# Altium PCB ovo.pcbdoc (part 3 of 3)
Units mil, origin at the board's own origin, x right, y up, seen from the top; angles counter-clockwise.
Board outline 8690 x 8044.71 mil, 6 copper layers (Top Layer, Inner1, Inner2, Inner3, 内层4, Bottom Layer); 83 components, 122 nets, 754 pads, 365 vias.
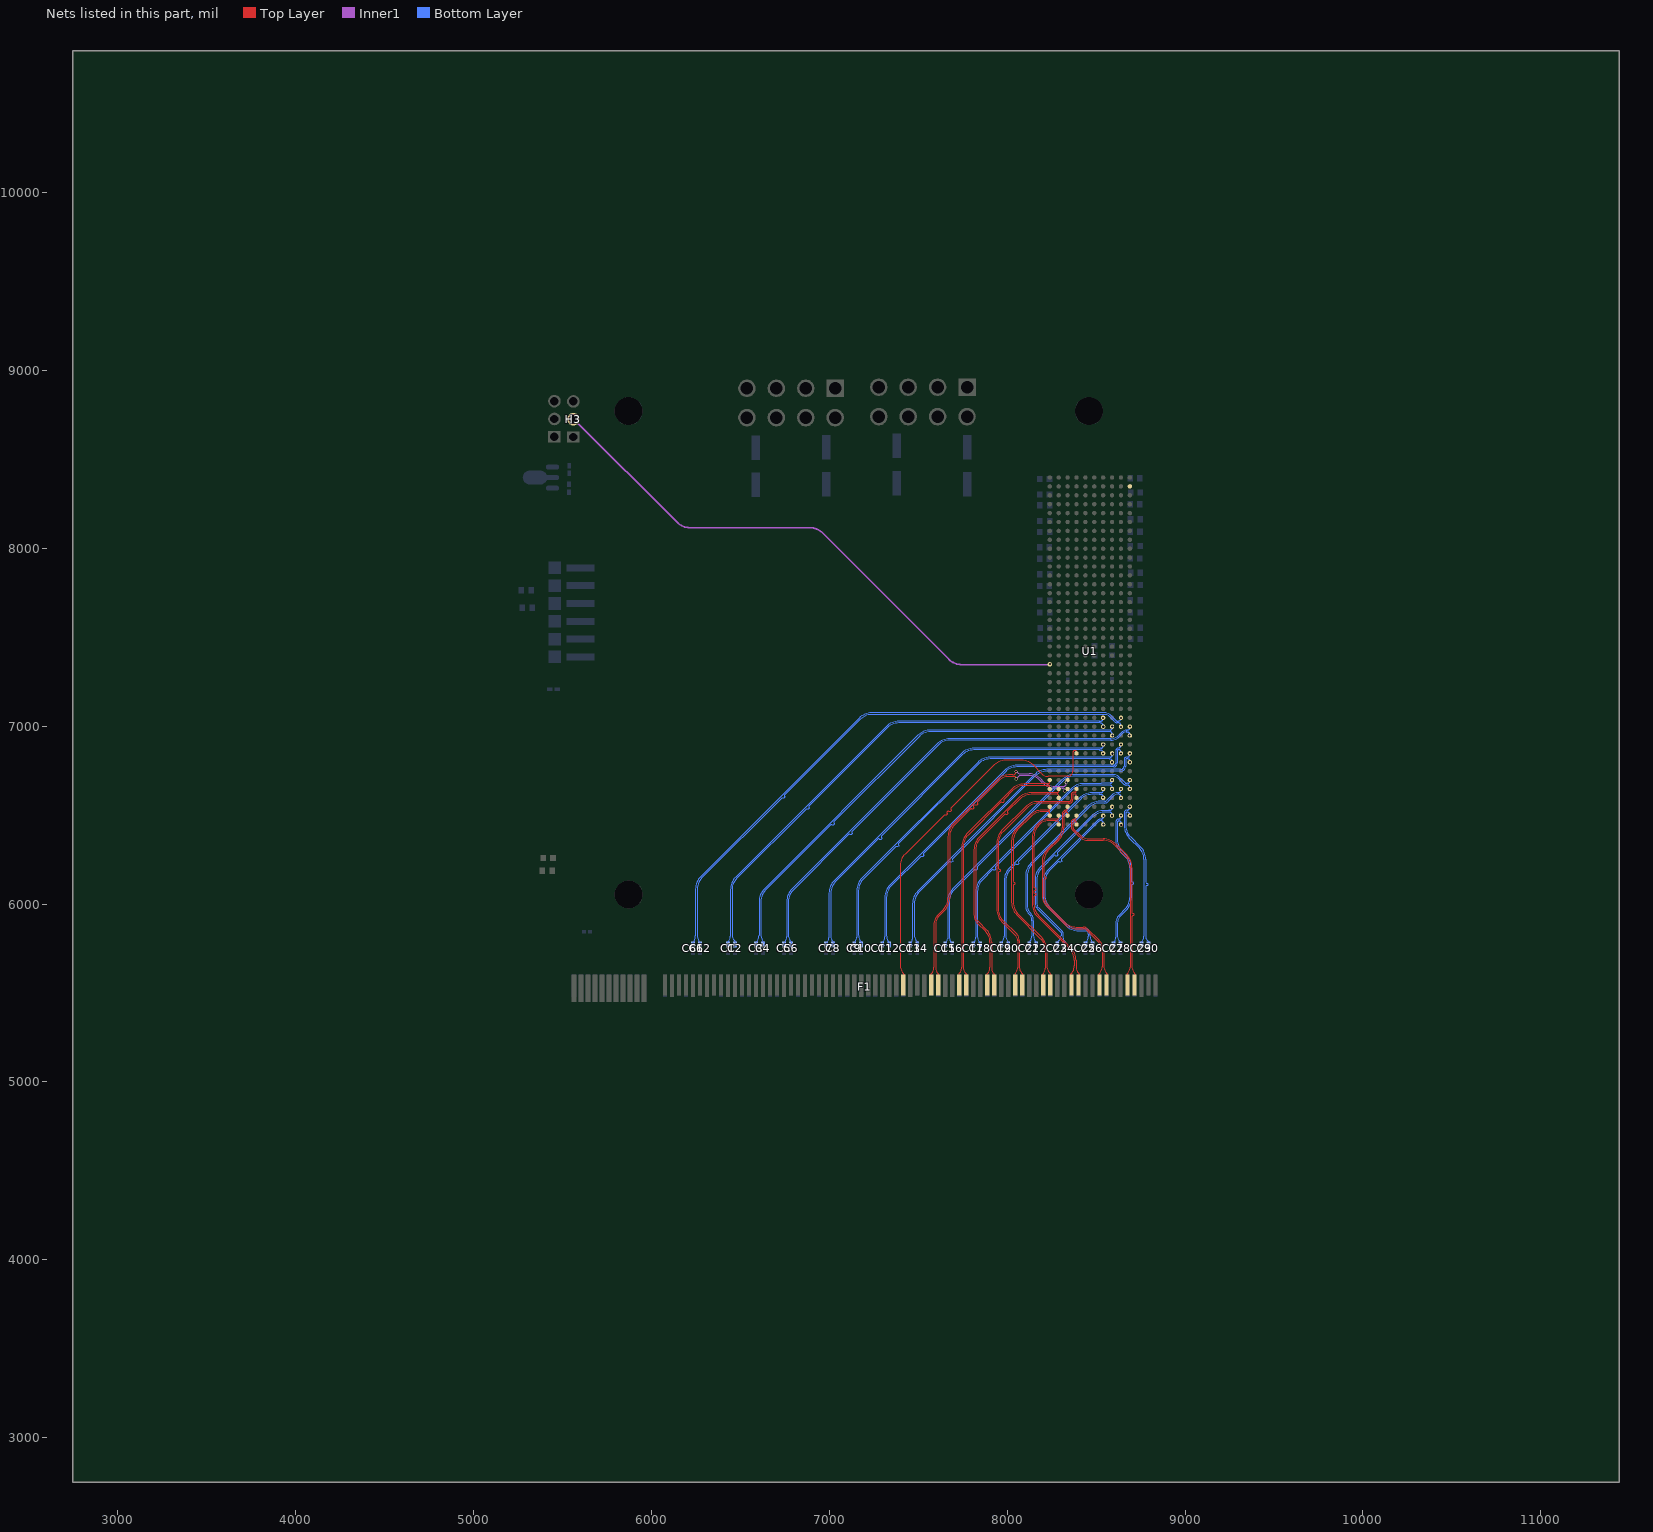
[diagram p6: the nets of this part, all layers, seen from the top]

## Via types
v1: diameter 17.7, hole 11.8, Top Layer to Bottom Layer, 365 vias

## Nets (pads, with @x,y where several pads share a name; then routed paths per layer and width w, separated by ;. In a path a pad name is that pad's centre, name@x,y a point inside that pad or via, vN(x,y) a via of type N, cw(c..) or ccw(c..) an arc to the next point about the centre after c; other vN are vias at no path point) (continued)
RX7-: F1.B46 U1.D9 | length 2067.4
  Top Layer w5.2: F1.B46@7421.26,5598.24 7421.26,5601.23 ccw(c7407.27,5601.23) 7417.16,5611.12 cw(c7457.04,5651) 7400.65,5651 7400.65,6216.87 cw(c7491.45,6216.87) 7427.24,6281.08 7646.18,6500.01 7651.38,6500.01 7653.25,6498.14 7658.45,6498.14 7663.85,6503.55 7663.85,6508.75 7661.98,6510.62 7661.98,6515.82 7667.39,6521.22 7672.59,6521.22 7674.46,6519.35 7679.66,6519.35 7685.07,6524.76 7685.07,6529.96 7683.2,6531.83 7683.2,6537.03 7927.66,6781.5 cw(c7991.87,6717.29) 7991.87,6808.09 8081.82,6808.09 cw(c8081.82,6717.29) 8146.03,6781.5 8195.68,6731.85 ccw(c8230.97,6767.14) 8230.97,6717.23 8340.39,6717.23 ccw(c8340.39,6746.68) 8369.85,6746.68 8369.85,6768.36 cw(c8370.15,6768.36) 8369.94,6768.58 ccw(c8369.72,6768.8) 8370.02,6768.8 8370.02,6852.41 cw(c8379.61,6852.41) 8379.61,6862 cw(c8382.32,6854.72) 8390.08,6854.72 U1.D9@8390.08,6846.73
RX8+: F1.B50 U1.C6 | length 1704.7
  Top Layer w5.2: F1.B50@7569.34,5595.32 7569.34,5598.2 cw(c7579.33,5598.2) 7572.26,5605.27 ccw(c7532.09,5645.44) 7588.9,5645.44 7588.9,5883.06 cw(c7670.05,5883.06) 7612.67,5940.44 7641.32,5969.09 ccw(c7577.12,6033.3) 7667.92,6033.3 7667.92,6379.32 cw(c7767.92,6379.32) 7697.21,6450.03 7946.95,6699.78 cw(c8008.83,6637.9) 8008.83,6725.41 8009.56,6725.41 ccw(c8009.56,6725.97) 8009.95,6725.57 cw(c8010.34,6725.18) 8010.34,6725.74 8032.4,6725.74 ccw(c8032.4,6743.5) 8044.96,6730.94 8045.46,6731.44 ccw(c8031.6,6745.3) v1(8051.21,6745.3) ; v1@8333.82,6684.47 8335.84,6686.49 ccw(c8325.6,6696.73) U1.C6@8340.08,6696.73
  Inner1 w5.2: v1(8051.21,6745.3) 8054.34,6742.17 ccw(c8080.69,6768.52) 8080.69,6731.26 8126.08,6731.26 cw(c8126.08,6647.68) 8185.18,6706.78 8204.18,6687.78 ccw(c8268.39,6751.98) 8268.39,6661.18 8312.06,6661.18 ccw(c8312.06,6662.47) 8312.97,6661.56 cw(c8313.89,6660.65) 8313.89,6661.94 8318.55,6661.94 ccw(c8318.55,6676.42) 8333.04,6676.42 v1(8333.04,6682.13)
RX8-: F1.B51 U1.C5 | length 1704.4
  Top Layer w5.2: F1.B51@7617.91,5592.98 7617.91,5594.89 ccw(c7599.93,5594.89) 7612.65,5607.61 cw(c7647.76,5642.72) 7598.1,5642.72 7598.1,5883.06 cw(c7670.05,5883.06) 7619.18,5933.93 7647.83,5962.59 ccw(c7577.12,6033.3) 7677.12,6033.3 7677.12,6379.32 cw(c7767.92,6379.32) 7703.71,6443.53 7795.37,6535.18 7800.57,6535.18 7802.9,6532.85 7808.1,6532.85 7813.51,6538.25 7813.51,6543.45 7811.17,6545.79 7811.17,6550.99 7816.58,6556.4 7821.78,6556.4 7824.12,6554.06 7829.32,6554.06 7834.72,6559.47 7834.72,6564.67 7832.39,6567 7832.39,6572.2 7953.46,6693.28 cw(c8008.83,6637.9) 8008.83,6716.21 8009.56,6716.21 cw(c8009.56,6715.66) 8009.95,6716.05 ccw(c8010.34,6716.44) 8010.34,6715.89 8040.25,6715.89 cw(c8040.25,6703.33) 8049.13,6712.21 8049.13,6710.15 ccw(c8058.6,6710.15) v1(8051.9,6703.45) ; v1@8326.27,6638.69 ccw(c8326.27,6652.6) 8336.11,6642.76 U1.C5@8340.08,6646.73
  Inner1 w5.2: v1@8053.75,6706.11 8062.87,6715.23 cw(c8079.35,6698.76) 8079.35,6722.06 8126.08,6722.06 cw(c8126.08,6647.68) 8178.67,6700.27 8197.68,6681.27 ccw(c8268.39,6751.98) 8268.39,6651.98 8309.95,6651.98 cw(c8309.95,6650.69) 8310.87,6651.61 ccw(c8311.78,6652.52) 8311.78,6651.23 8316.44,6651.23 cw(c8314.65,6642.12) 8323.93,6642.12 v1(8323.93,6636.35)
RX9+: F1.B54 U1.A6 | length 1401.4
  Top Layer w5.2: F1.B54@7729.12,5599.41 7729.12,5605.37 cw(c7733.11,5605.37) 7730.29,5608.19 ccw(c7693.95,5644.53) 7745.34,5644.53 7745.34,6322.98 cw(c7845.34,6322.98) 7774.63,6393.69 8026.47,6645.53 cw(c8097.18,6574.82) 8097.18,6674.82 8224.35,6674.82 ccw(c8224.35,6676.07) 8225.23,6675.19 cw(c8226.12,6674.3) 8226.12,6675.55 8230.8,6675.55 ccw(c8230.8,6684.83) 8240.08,6684.83 U1.A6@8240.08,6696.73
RX9-: F1.B55 U1.A5 | length 1400.9
  Top Layer w5.2: F1.B55@7775.35,5595.9 ccw(c7756.99,5595.9) 7769.97,5608.89 7768.33,5610.54 cw(c7801.63,5643.84) 7754.54,5643.84 7754.54,6322.98 cw(c7845.34,6322.98) 7781.13,6387.18 7965.11,6571.16 7970.31,6571.16 7972.19,6569.28 7977.39,6569.28 7982.8,6574.68 7982.8,6579.88 7980.92,6581.77 7980.92,6586.97 8032.97,6639.02 cw(c8097.18,6574.82) 8097.18,6665.62 8225.63,6665.62 cw(c8225.63,6664.36) 8226.51,6665.25 ccw(c8227.4,6666.14) 8227.4,6664.88 8232.08,6664.88 cw(c8232.08,6656.88) 8240.08,6656.88 U1.A5@8240.08,6646.73
RX10+: F1.B58 U1.B5 | length 1388.6
  Top Layer w5.2: F1.B58@7882.46,5594.15 cw(c7898,5594.15) 7887.01,5605.14 7888.31,5606.44 ccw(c7851.27,5643.48) 7903.66,5643.48 7903.66,5785.11 ccw(c7812.86,5785.11) 7877.06,5849.32 7833.67,5892.71 cw(c7880.91,5939.94) 7814.11,5939.94 7814.11,6304.99 cw(c7911.6,6304.99) 7842.66,6373.93 8064.66,6595.93 cw(c8135.37,6525.22) 8135.37,6625.22 8270.94,6625.22 ccw(c8270.94,6625.36) 8271.04,6625.26 cw(c8271.14,6625.16) 8271.14,6625.3 8281.81,6625.3 ccw(c8281.81,6633.29) 8287.47,6627.64 ccw(c8281.15,6633.96) 8290.08,6633.96 U1.B5@8290.08,6646.73
RX10-: F1.B59 U1.B4 | length 1389.4
  Top Layer w5.2: F1.B59@7930.45,5591.22 7930.45,5597.23 ccw(c7912.47,5597.23) 7925.19,5609.95 cw(c7954.95,5639.72) 7912.86,5639.72 7912.86,5785.11 ccw(c7812.86,5785.11) 7883.57,5855.82 7840.18,5899.21 cw(c7880.91,5939.94) 7823.31,5939.94 7823.31,6304.99 cw(c7911.6,6304.99) 7849.17,6367.43 7986.18,6504.44 7991.38,6504.44 7994.43,6501.39 7999.63,6501.39 8005.04,6506.79 8005.04,6511.99 8001.99,6515.04 8001.99,6520.24 8071.17,6589.42 cw(c8135.37,6525.22) 8135.37,6616.02 8270.94,6616.02 cw(c8270.94,6615.88) 8271.04,6615.98 ccw(c8271.14,6616.08) 8271.14,6615.94 8283.85,6615.94 cw(c8283.85,6609.72) 8288.25,6614.12 cw(c8283.82,6609.69) 8290.08,6609.69 U1.B4@8290.08,6596.73
RX11+: F1.B62 U1.D5 | length 1406.9
  Top Layer w5.2: F1.B62@8042.9,5598.54 8042.9,5603.08 cw(c8048.89,5603.08) 8044.65,5607.32 ccw(c8009.15,5642.82) 8059.36,5642.82 8059.36,5794.99 ccw(c8016.73,5794.99) 8046.87,5825.13 7971.3,5900.71 cw(c8042.01,5971.42) 7942.01,5971.42 7942.01,6342.75 cw(c8042.01,6342.75) 7971.3,6413.46 8103.91,6546.07 cw(c8174.62,6475.36) 8174.62,6575.36 8347.44,6575.36 ccw(c8347.44,6588.5) 8360.58,6588.5 8360.58,6613.87 cw(c8373.76,6613.87) 8373.76,6627.05 8374.82,6627.05 ccw(c8374.82,6627.45) 8375.1,6627.17 cw(c8375.39,6626.88) 8375.39,6627.29 8380.42,6627.29 ccw(c8380.42,6636.95) 8390.08,6636.95 U1.D5@8390.08,6646.73
RX11-: F1.B63 U1.D4 | length 1407.2
  Top Layer w5.2: F1.B63@8088.55,5600.88 ccw(c8077.25,5600.88) 8085.24,5608.87 8084.45,5609.66 cw(c8122.82,5648.02) 8068.56,5648.02 8068.56,5794.99 ccw(c8016.73,5794.99) 8053.38,5831.64 7977.81,5907.21 cw(c8042.01,5971.42) 7951.21,5971.42 7951.21,6177.69 7954.89,6181.36 7959.01,6181.36 7962.68,6185.04 7962.68,6192.69 7959.01,6196.36 7954.89,6196.36 7951.21,6200.04 7951.21,6342.75 cw(c8042.01,6342.75) 7977.81,6406.95 8110.42,6539.56 cw(c8174.62,6475.36) 8174.62,6566.16 8347.44,6566.16 ccw(c8347.44,6588.5) 8369.78,6588.5 8369.78,6613.87 cw(c8373.76,6613.87) 8373.76,6617.85 8375.38,6617.85 cw(c8375.38,6617.44) 8375.67,6617.73 ccw(c8375.96,6618.02) 8375.96,6617.61 8380.99,6617.61 cw(c8380.99,6608.52) 8390.08,6608.52 U1.D4@8390.08,6596.73
RX12+: F1.B66 U1.A3 | length 1156.9
  Top Layer w5.2: F1.B66@8194.49,5592.1 cw(c8212.85,5592.1) 8199.87,5605.09 8200.34,5605.56 ccw(c8166.86,5639.04) 8214.2,5639.04 8214.2,5741.97 ccw(c8123.4,5741.97) 8187.61,5806.17 8054.08,5939.7 cw(c8124.79,6010.41) 8024.79,6010.41 8024.79,6354.75 cw(c8124.79,6354.75) 8054.08,6425.46 8126.51,6497.89 cw(c8197.23,6427.18) 8197.23,6527.18 8232.42,6527.18 ; 8232.43,6527.17 ccw(c8232.43,6534.83) 8240.08,6534.83 U1.A3@8240.08,6546.73
RX12-: F1.B67 U1.A2 | length 1156
  Top Layer w5.2: U1.A2@8240.08,6496.73 8240.08,6510.5 ccw(c8232.6,6510.5) 8232.6,6517.98 8197.23,6517.98 ccw(c8197.23,6427.18) 8133.02,6491.38 8060.59,6418.95 ccw(c8124.79,6354.75) 8033.99,6354.75 8033.99,6126.73 8037.67,6123.06 8040.32,6123.06 8043.99,6119.38 8043.99,6111.73 8040.32,6108.06 8037.67,6108.06 8033.99,6104.38 8033.99,6010.41 ccw(c8124.79,6010.41) 8060.59,5946.2 8194.11,5812.68 cw(c8123.4,5741.97) 8223.4,5741.97 8223.4,5653.6 ccw(c8286.26,5653.6) 8241.81,5609.15 8244.23,5606.73 cw(c8240,5602.49) 8245.99,5602.49 F1.B67@8245.99,5592.68
RX13+: F1.B70 U1.B2 | length 1099.1
  Top Layer w5.2: U1.B2@8290.08,6496.73 8290.08,6485.25 cw(c8280.98,6485.25) 8280.98,6476.15 8276.03,6476.15 ccw(c8276.03,6475.56) 8275.61,6475.98 cw(c8275.19,6476.4) 8275.19,6475.81 8225.74,6475.81 ccw(c8225.74,6412.02) 8180.64,6457.12 8171.36,6447.84 ccw(c8242.01,6377.19) 8142.09,6377.19 8142.09,5999.09 ccw(c8242.09,5999.09) 8171.38,5928.38 8351.66,5748.11 cw(c8287.45,5683.9) 8378.25,5683.9 8378.25,5653.04 cw(c8314.48,5653.04) 8359.57,5607.94 8357.19,5605.56 ccw(c8360.02,5602.73) 8356.02,5602.73 F1.B70@8356.02,5596.78
RX13-: F1.B71 U1.B1 | length 1101.8
  Top Layer w5.2: U1.B1@8290.08,6446.73 8290.08,6456.3 ccw(c8280.12,6456.3) 8280.55,6466.26 8275.6,6466.26 cw(c8275.6,6466.85) 8275.18,6466.43 ccw(c8274.76,6466.01) 8274.76,6466.61 8225.74,6466.61 ccw(c8225.74,6412.02) 8187.14,6450.62 8177.86,6441.34 ccw(c8242.01,6377.19) 8151.29,6377.19 8151.29,6094.54 8154.97,6090.87 8157.62,6090.87 8161.29,6087.19 8161.29,6079.54 8157.62,6075.87 8154.97,6075.87 8151.29,6072.19 8151.29,6064.54 8154.97,6060.87 8157.62,6060.87 8161.29,6057.19 8161.29,6049.54 8157.62,6045.87 8154.97,6045.87 8151.29,6042.19 8151.29,5999.09 ccw(c8242.09,5999.09) 8177.89,5934.89 8358.16,5754.61 cw(c8287.45,5683.9) 8387.45,5683.9 8387.45,5647.64 ccw(c8442,5647.64) 8403.43,5609.07 cw(c8396.36,5602.01) 8406.36,5602.01 F1.B71@8406.36,5599.71
RX14+: F1.B74 U1.C3 | length 1191.3
  Top Layer w5.2: U1.C3@8340.08,6546.73 8340.08,6536.85 cw(c8330.41,6536.85) 8330.41,6527.17 ccw(c8331.28,6506.25) 8310.35,6506.25 8310.35,6429.39 cw(c8219.55,6429.39) 8283.75,6365.18 8226.27,6307.7 ccw(c8296.98,6236.99) 8196.98,6236.99 8196.98,6054.1 ccw(c8296.98,6054.1) 8226.27,5983.39 8318.81,5890.85 ccw(c8389.53,5961.56) 8389.53,5861.56 8429.23,5861.56 cw(c8429.23,5839.1) 8445.11,5854.98 8507.51,5792.58 cw(c8443.3,5728.38) 8534.1,5728.38 8534.1,5647.84 cw(c8477.62,5647.84) 8517.56,5607.9 8515.84,5606.19 ccw(c8525.84,5596.2) F1.B74@8511.71,5596.2
RX14-: F1.B75 U1.C2 | length 1188.3
  Top Layer w5.2: U1.C2@8340.08,6496.73 8340.08,6509.18 ccw(c8331.28,6509.18) 8331.28,6517.98 ccw(c8331.28,6506.25) 8319.55,6506.25 8319.55,6429.39 cw(c8219.55,6429.39) 8290.26,6358.68 8232.78,6301.2 ccw(c8296.98,6236.99) 8206.18,6236.99 8206.18,6158.34 8209.86,6154.66 8214.48,6154.66 8218.16,6150.98 8218.16,6143.34 8214.48,6139.66 8209.86,6139.66 8206.18,6135.98 8206.18,6054.1 ccw(c8296.98,6054.1) 8232.78,5989.9 8325.32,5897.35 ccw(c8389.53,5961.56) 8389.53,5870.76 8429.23,5870.76 cw(c8429.23,5839.1) 8451.61,5861.49 8514.01,5799.09 cw(c8443.3,5728.38) 8543.3,5728.38 8543.3,5649.83 ccw(c8599.29,5649.83) 8559.7,5610.24 cw(c8554.05,5604.59) 8562.04,5604.59 F1.B75@8562.04,5600.88
RX15+: F1.B78 U1.D2 | length 1133.6
  Top Layer w5.2: U1.D2@8390.08,6496.73 8390.08,6487.36 cw(c8379.66,6487.36) 8379.66,6476.94 ccw(c8379.66,6458.12) 8360.84,6458.12 8360.84,6432.67 ccw(c8361.28,6432.67) 8360.97,6432.36 cw(c8360.66,6432.05) 8361.1,6432.05 8361.1,6431.18 ccw(c8380.59,6431.18) 8366.81,6417.4 8404.18,6380.03 ccw(c8458.37,6434.23) 8458.37,6357.58 8539.63,6357.58 cw(c8539.63,6266.78) 8603.83,6330.99 8665.53,6269.29 cw(c8601.33,6205.09) 8692.12,6205.09 8692.12,5645.84 cw(c8637.65,5645.84) 8676.17,5607.32 ccw(c8684.65,5598.84) 8672.66,5598.84 F1.B78@8672.66,5598.54
RX15-: F1.B79 U1.D1 | length 1135.3
  Top Layer w5.2: U1.D1@8390.08,6446.73 8390.08,6458.74 ccw(c8381.88,6458.74) 8381.88,6466.94 8380.15,6466.94 ccw(c8380.15,6457.34) 8370.55,6457.34 8370.55,6432.56 cw(c8370.12,6432.56) 8370.43,6432.25 ccw(c8370.74,6431.94) 8370.3,6431.94 8370.3,6431.18 ccw(c8380.59,6431.18) 8373.31,6423.91 8410.68,6386.54 ccw(c8458.37,6434.23) 8458.37,6366.78 8539.63,6366.78 cw(c8539.63,6266.78) 8610.34,6337.49 8672.04,6275.8 cw(c8601.33,6205.09) 8701.32,6205.09 8701.33,5951.59 8705,5947.91 8709.48,5947.91 8713.15,5944.24 8713.15,5936.59 8709.48,5932.91 8705,5932.91 8701.33,5929.24 8701.33,5647.93 ; 8701.33,5647.93 ccw(c8751.32,5647.93) 8715.97,5612.58 cw(c8704.66,5601.28) 8720.65,5601.28 F1.B79@8720.65,5597.37
SXM_PRSNT2: U1.K39
THERM_OVER#: H3.2 U1.A19 | length 3216.9
  Inner1 w10: H3.2@5574.43,8716.34 6146.51,8144.26 ccw(c6217.22,8214.97) 6217.22,8114.97 6892.02,8114.97 cw(c6892.02,8014.97) 6962.73,8085.68 7674.08,7374.32 ccw(c7744.8,7445.04) 7744.8,7345.04 v1@8236.27,7345.04
  other v1: 8240.21,7347.69
TX0+: C61.2 U1.J13 | length 3154.9
  Bottom Layer w5.2: C61.2@6231.42,5778.97 ccw(c6188.29,5822.1) 6249.29,5822.1 6249.29,6083.7 cw(c6349.29,6083.7) 6278.58,6154.42 7168.85,7044.68 cw(c7239.56,6973.97) 7239.56,7073.97 8547.95,7073.97 cw(c8547.95,7022.82) 8584.12,7058.99 8612.2,7030.92 ccw(c8619.75,7038.47) 8619.75,7027.79 8620.35,7027.79 ccw(c8620.35,7028.6) 8620.92,7028.03 cw(c8621.5,7027.46) 8621.5,7028.26 8626.36,7028.26 ccw(c8626.36,7041.91) 8640.01,7041.91 v1(8640.01,7046.37)
TX0-: C62.2 U1.J12 | length 3158.5
  Bottom Layer w5.2: C62.2@6278.64,5777.41 cw(c6327.28,5826.05) 6258.49,5826.05 6258.49,6083.7 cw(c6349.29,6083.7) 6285.08,6147.91 6732.93,6595.75 6738.13,6595.75 6740,6593.88 6745.2,6593.88 6750.61,6599.29 6750.61,6604.49 6748.74,6606.36 6748.74,6611.56 7175.35,7038.18 cw(c7239.56,6973.97) 7239.56,7064.77 8547.95,7064.77 cw(c8547.95,7022.82) 8577.62,7052.49 8605.69,7024.41 ccw(c8619.75,7038.47) 8619.75,7018.59 8620.19,7018.59 cw(c8620.19,7017.78) 8620.76,7018.35 ccw(c8621.33,7018.92) 8621.33,7018.12 8626.2,7018.12 cw(c8625.97,7003.97) 8640.11,7003.97 v1(8640.11,6995.39)
TX1+: C1.2 U1.G13 | length 2813.8
  Bottom Layer w5.2: C1.2@6431.2,5785.21 ccw(c6396.4,5820.01) 6445.61,5820.01 6445.61,6080.25 cw(c6545.61,6080.25) 6474.9,6150.96 7321.47,6997.53 cw(c7392.18,6926.82) 7392.18,7026.82 8519.24,7026.82 ccw(c8519.24,7027.29) 8519.57,7026.95 cw(c8519.91,7026.62) 8519.91,7027.09 8524.91,7027.09 ccw(c8524.91,7042.11) 8539.93,7042.11 v1(8539.93,7046.37)
TX1-: C2.2 U1.G12 | length 2815.5
  Bottom Layer w5.2: C2.2@6476.07,5785.21 6471.91,5789.37 cw(c6513.18,5830.64) 6454.81,5830.64 6454.81,6080.25 cw(c6545.61,6080.25) 6481.41,6144.45 6870.57,6533.61 6875.77,6533.61 6877.64,6531.74 6882.84,6531.74 6888.25,6537.15 6888.25,6542.35 6886.38,6544.22 6886.38,6549.42 7327.98,6991.02 cw(c7392.18,6926.82) 7392.18,7017.62 8519.24,7017.62 cw(c8519.24,7017.14) 8519.57,7017.48 ccw(c8519.91,7017.81) 8519.91,7017.34 8524.91,7017.34 cw(c8524.91,7001.54) 8540.71,7001.54 v1(8540.71,6996.23)
TX2+: C3.2 U1.H12 | length 2646.6
  Bottom Layer w5.2: C3.2@6590.39,5784.82 ccw(c6551.93,5823.28) 6606.33,5823.28 6606.33,6013.64 cw(c6706.33,6013.64) 6635.62,6084.35 7499.14,6947.87 cw(c7569.85,6877.16) 7569.85,6977.16 8573.41,6977.16 ccw(c8573.41,6977.31) 8573.52,6977.2 cw(c8573.62,6977.1) 8573.62,6977.25 8578.76,6977.25 ccw(c8578.76,6989.33) 8590.85,6989.33 v1(8590.85,6996.62)
TX2-: C4.2 U1.H11 | length 2650.1
  Bottom Layer w5.2: C4.2@6634.88,5783.65 6633.6,5784.93 cw(c6677.23,5828.56) 6615.53,5828.56 6615.53,6013.64 cw(c6706.33,6013.64) 6642.12,6077.84 7010.57,6446.29 7015.77,6446.29 7018.24,6443.82 7023.44,6443.82 7028.84,6449.23 7028.84,6454.43 7026.38,6456.9 7026.38,6462.1 7505.65,6941.37 cw(c7569.85,6877.16) 7569.85,6967.96 8573.18,6967.96 cw(c8573.18,6967.82) 8573.28,6967.92 ccw(c8573.38,6968.02) 8573.38,6967.88 8578.52,6967.88 cw(c8578.17,6954.04) 8592.02,6954.04 v1(8592.02,6946.28)
TX3+: C5.2 U1.K12 | length 2587.7
  Bottom Layer w5.2: C5.2@6747.64,5782.09 ccw(c6714.02,5815.71) 6761.56,5815.71 6761.56,6013.31 cw(c6861.56,6013.31) 6790.85,6084.02 7606.37,6899.54 cw(c7677.08,6828.83) 7677.08,6928.83 8583.42,6928.83 ccw(c8583.42,6985.96) 8623.82,6945.56 8643.45,6965.19 cw(c8669.89,6938.75) 8669.89,6976.14 ccw(c8669.89,6978.53) 8671.58,6976.84 cw(c8673.26,6975.15) 8673.26,6977.54 8677.48,6977.54 ccw(c8677.48,6989.82) 8689.76,6989.82 v1(8689.76,6996.62)
TX3-: C6.2 U1.K11 | length 2586.3
  Bottom Layer w5.2: C6.2@6789.78,5783.26 6788.5,5784.54 cw(c6831.3,5827.35) 6770.76,5827.35 6770.76,6013.31 cw(c6861.56,6013.31) 6797.36,6077.51 7110.74,6390.89 7115.94,6390.89 7118.32,6388.51 7123.52,6388.51 7128.93,6393.92 7128.93,6399.12 7126.55,6401.5 7126.55,6406.7 7612.87,6893.03 cw(c7677.08,6828.83) 7677.08,6919.63 8583.42,6919.63 ccw(c8583.42,6985.96) 8630.33,6939.06 8649.96,6958.68 cw(c8669.89,6938.75) 8669.89,6966.94 8670.67,6966.94 cw(c8670.67,6964.55) 8672.36,6966.24 ccw(c8674.04,6967.93) 8674.04,6965.54 8678.26,6965.54 cw(c8678.26,6955.21) 8688.59,6955.21 v1(8688.59,6946.28)
TX4+: C7.2 U1.G10 | length 2190.7
  Bottom Layer w5.2: C7.2@6987.21,5782.48 ccw(c6958.13,5811.56) 6999.26,5811.56 6999.26,6060.72 cw(c7099.26,6060.72) 7028.55,6131.43 7742.57,6845.45 cw(c7813.28,6774.74) 7813.28,6874.74 8520.62,6874.74 ccw(c8520.62,6875.88) 8521.43,6875.07 cw(c8522.23,6874.27) 8522.23,6875.41 8526.96,6875.41 ccw(c8526.96,6888.81) 8540.37,6888.81 v1(8540.37,6896.24)
TX4-: C8.2 U1.G9 | length 2193.3
  Bottom Layer w5.2: C8.2@7028.18,5782.48 7024.85,5785.81 cw(c7064.41,5825.38) 7008.46,5825.38 7008.46,6060.72 cw(c7099.26,6060.72) 7035.05,6124.92 7276.12,6365.98 7281.32,6365.98 7284.83,6362.47 7290.03,6362.47 7295.44,6367.87 7295.44,6373.07 7291.92,6376.59 7291.92,6381.79 7749.08,6838.95 cw(c7813.28,6774.74) 7813.28,6865.54 8521.01,6865.54 cw(c8521.01,6864.4) 8521.82,6865.21 ccw(c8522.62,6866.01) 8522.62,6864.87 8527.35,6864.87 cw(c8527.35,6852.44) 8539.78,6852.44 v1(8539.78,6845.32)
TX5+: C9.2 U1.H9 | length 2071.3
  Bottom Layer w5.2: C9.2@7142.9,5783.65 ccw(c7112.31,5814.23) 7155.56,5814.23 7155.56,6075.46 cw(c7255.56,6075.46) 7184.85,6146.17 7833.95,6795.26 cw(c7904.66,6724.55) 7904.66,6824.55 8573.27,6824.55 ccw(c8573.27,6826.11) 8574.37,6825.01 cw(c8575.47,6823.91) 8575.47,6825.47 8580.03,6825.47 ccw(c8580.03,6836.87) 8591.43,6836.87 v1(8591.43,6844.45)
TX5-: C10.2 U1.H8 | length 2075.4
  Bottom Layer w5.2: C10.2@7187.38,5778.97 7182.86,5783.49 cw(c7226.54,5827.17) 7164.76,5827.17 7164.76,6075.46 cw(c7255.56,6075.46) 7191.36,6139.66 7374.11,6322.42 7379.31,6322.42 7381.18,6320.55 7386.38,6320.55 7391.79,6325.95 7391.79,6331.15 7389.92,6333.02 7389.92,6338.22 7840.45,6788.76 cw(c7904.66,6724.55) 7904.66,6815.35 8575.12,6815.35 cw(c8575.12,6813.8) 8576.22,6814.9 ccw(c8577.32,6816) 8577.32,6814.44 8581.88,6814.44 cw(c8581.88,6806.06) 8590.26,6806.06 v1(8590.26,6796.45)
TX6+: C11.2 U1.J10 | length 2010.3
  Bottom Layer w5.2: C11.2@7297.8,5780.14 ccw(c7260.56,5817.38) 7313.22,5817.38 7313.22,6037.29 cw(c7413.22,6037.29) 7342.51,6108 7984.76,6750.25 cw(c8055.47,6679.54) 8055.47,6779.54 8599.85,6779.54 ccw(c8599.85,6790.19) 8610.5,6790.19 8610.5,6860.35 cw(c8626.47,6860.35) 8626.29,6876.31 8626.29,6877 ccw(c8626.29,6891.04) 8640.33,6891.04 v1(8640.33,6895.82)
TX6-: C12.2 U1.J9 | length 2012.4
  Bottom Layer w5.2: C12.2@7341.89,5777.02 cw(c7388.89,5824.01) 7322.42,5824.01 7322.42,6037.29 cw(c7413.22,6037.29) 7349.02,6101.5 7514.46,6266.94 7519.66,6266.94 7521.53,6265.07 7526.73,6265.07 7532.14,6270.47 7532.14,6275.67 7530.26,6277.54 7530.26,6282.74 7991.26,6743.74 cw(c8055.47,6679.54) 8055.47,6770.34 8599.85,6770.34 ccw(c8599.85,6790.19) 8619.7,6790.19 8619.7,6790.75 ccw(c8610.66,6792.43) 8619.7,6794.1 8619.7,6860.35 cw(c8626.47,6860.35) 8626.47,6867.11 cw(c8626.47,6853.27) 8640.31,6853.27 v1(8640.31,6846.73)
TX7+: C13.2 U1.K9 | length 1844.1
  Bottom Layer w5.2: C13.2@7459.34,5778.58 ccw(c7437.11,5800.8) 7468.54,5800.8 7468.54,6001.25 cw(c7568.54,6001.25) 7497.83,6071.96 8152.67,6726.8 cw(c8223.38,6656.09) 8223.38,6756.09 8637.86,6756.09 ccw(c8637.86,6775.39) 8657.16,6775.39 8657.16,6810.94 cw(c8670.87,6810.94) 8670.87,6824.65 8671.26,6824.65 ccw(c8671.26,6825.37) 8671.77,6824.86 cw(c8672.28,6824.35) 8672.28,6825.07 8677.18,6825.07 ccw(c8677.18,6836.48) 8688.59,6836.48 8689.76,6837.65 v1(8689.76,6845.62)
TX7-: C14.2 U1.K8 | length 1846.2
  Bottom Layer w5.2: C14.2@7500.69,5782.48 7491.54,5791.63 cw(c7524.86,5824.95) 7477.74,5824.95 7477.74,6001.25 cw(c7568.54,6001.25) 7504.34,6065.46 7675.69,6236.81 7680.89,6236.81 7684.28,6233.41 7689.48,6233.41 7694.89,6238.82 7694.89,6244.02 7691.5,6247.41 7691.5,6252.61 8159.18,6720.3 cw(c8223.38,6656.09) 8223.38,6746.89 8637.86,6746.89 ccw(c8637.86,6775.39) 8666.36,6775.39 8666.36,6810.94 cw(c8670.87,6810.94) 8670.87,6815.45 8672.43,6815.45 cw(c8672.43,6814.73) 8672.94,6815.24 ccw(c8673.45,6815.75) 8673.45,6815.03 8678.35,6815.03 cw(c8678.35,6801.87) 8691.51,6801.87 v1(8691.51,6796.45)
TX8+: C15.2 U1.K6 | length 1605
  Bottom Layer w5.2: C15.2@7655.6,5779.36 ccw(c7631.05,5803.91) 7665.77,5803.91 7665.77,6014.59 cw(c7765.77,6014.59) 7695.06,6085.3 8307.88,6698.12 cw(c8378.59,6627.41) 8378.59,6727.41 8595.57,6727.41 cw(c8595.57,6677.32) 8631,6712.74 8662.86,6680.87 ccw(c8670.53,6688.54) 8670.53,6677.7 8671.08,6677.7 ccw(c8671.08,6678.51) 8671.65,6677.93 cw(c8672.22,6677.36) 8672.22,6678.17 8677.08,6678.17 ccw(c8677.08,6692.01) 8690.93,6692.01 v1(8690.93,6696.96)
TX8-: C16.2 U1.K5 | length 1607.7
  Bottom Layer w5.2: C16.2@7691.5,5777.02 cw(c7731.4,5816.92) 7674.97,5816.92 7674.97,6014.59 cw(c7765.77,6014.59) 7701.56,6078.79 7815.33,6192.57 7820.53,6192.57 7822.41,6190.69 7827.61,6190.69 7833.02,6196.1 7833.02,6201.3 7831.14,6203.17 7831.14,6208.37 8314.39,6691.62 cw(c8378.59,6627.41) 8378.59,6718.21 8595.57,6718.21 cw(c8595.57,6677.32) 8624.49,6706.23 8656.36,6674.37 ccw(c8670.53,6688.54) 8670.53,6668.5 8670.91,6668.5 cw(c8670.91,6667.69) 8671.48,6668.26 ccw(c8672.05,6668.83) 8672.05,6668.02 8676.91,6668.02 cw(c8676.69,6654.96) 8689.76,6654.96 v1(8689.76,6646.62)
TX9+: C17.2 U1.H6 | length 1341.2
  Bottom Layer w5.2: C17.2@7812.06,5781.7 ccw(c7781.62,5812.14) 7824.67,5812.14 7824.67,6070.78 cw(c7924.67,6070.78) 7853.96,6141.49 8360.3,6647.82 cw(c8431.01,6577.11) 8431.01,6677.11 8528.67,6677.11 ccw(c8528.67,6678.25) 8529.47,6677.45 cw(c8530.28,6676.64) 8530.28,6677.78 8579.15,6677.78 ccw(c8579.15,6690.65) 8592.02,6690.65 8590.26,6692.4 v1(8590.26,6696.96)
TX9-: C18.2 U1.H5 | length 1341.3
  Bottom Layer w5.2: C18.2@7848.74,5779.36 cw(c7884.64,5815.26) 7833.87,5815.26 7833.87,6070.78 cw(c7924.67,6070.78) 7860.46,6134.98 7917.61,6192.13 7922.81,6192.13 7924.68,6190.26 7929.88,6190.26 7935.29,6195.66 7935.29,6200.86 7933.42,6202.73 7933.42,6207.93 8366.8,6641.32 cw(c8431.01,6577.11) 8431.01,6667.91 8528.67,6667.91 cw(c8528.67,6666.77) 8529.47,6667.58 ccw(c8530.28,6668.38) 8530.28,6667.25 8579.15,6667.25 cw(c8579.15,6656.13) 8590.26,6656.13 v1(8590.26,6646.04)
TX10+: C19.2 U1.G5 | length 1144.2
  Bottom Layer w5.2: C19.2@7967.75,5783.65 7969.93,5785.84 ccw(c7936.43,5819.34) 7983.81,5819.34 7983.81,6131.43 cw(c8083.81,6131.43) 8013.1,6202.14 8406.5,6595.54 cw(c8477.21,6524.83) 8477.21,6624.83 8521.69,6624.83 ccw(c8521.69,6625.97) 8522.5,6625.16 cw(c8523.31,6624.35) 8523.31,6625.5 8528.03,6625.5 ccw(c8528.03,6637.39) 8539.93,6637.39 v1(8539.93,6646.04)
TX10-: C20.2 U1.G4 | length 1146.5
  Bottom Layer w5.2: C20.2@8008.52,5781.89 C20.2@8011.06,5779.36 ; C20.2@8008.53,5781.89 cw(c8045.98,5819.34) 7993.01,5819.34 7993.01,6131.43 cw(c8083.81,6131.43) 8019.61,6195.63 8047.04,6223.06 8052.24,6223.06 8055.64,6219.66 8060.84,6219.66 8066.25,6225.07 8066.25,6230.27 8062.84,6233.67 8062.84,6238.87 8413,6589.03 cw(c8477.21,6524.83) 8477.21,6615.63 8521.51,6615.63 cw(c8521.51,6614.49) 8522.32,6615.29 ccw(c8523.13,6616.1) 8523.13,6614.96 8527.85,6614.96 cw(c8527.64,6602.68) 8539.93,6602.68 v1(8539.93,6598.04)
TX11+: C21.2 U1.J5 | length 1140.1
  Bottom Layer w5.2: 8126.55,5788.33 ccw(c8095.61,5819.27) 8139.37,5819.27 8139.37,5906.39 ccw(c8084.94,5906.39) 8123.43,5944.87 8122.75,5945.55 cw(c8167.4,5990.2) 8104.25,5990.2 8104.25,6158.37 cw(c8204.25,6158.37) 8133.54,6229.08 8453.2,6548.74 cw(c8520.71,6481.24) 8520.71,6576.7 8547.93,6576.7 ccw(c8547.93,6594.02) 8560.17,6581.78 8589.61,6611.22 cw(c8625.97,6574.85) 8625.97,6626.28 ccw(c8625.97,6640.9) 8640.59,6640.9 v1(8640.59,6646.62)
TX11-: C22.2 U1.J4 | length 1136.9
  Bottom Layer w5.2: C22.2@8167.91,5779.75 8165.27,5782.39 cw(c8205.58,5822.71) 8148.57,5822.71 8148.57,5906.39 ccw(c8084.94,5906.39) 8129.93,5951.37 8129.25,5952.05 cw(c8167.4,5990.2) 8113.45,5990.2 8113.45,6158.37 cw(c8204.25,6158.37) 8140.04,6222.57 8459.71,6542.24 cw(c8520.71,6481.23) 8520.71,6567.5 8547.93,6567.5 ccw(c8547.93,6594.02) 8566.68,6575.27 8596.12,6604.71 cw(c8625.97,6574.85) 8617.09,6616.13 8627.14,6616.13 cw(c8627.14,6602.68) 8640.59,6602.68 v1(8640.59,6595.7)
TX12+: C23.2 U1.H3 | length 1042.3
  Bottom Layer w5.2: C23.2@8282.62,5784.82 8291.19,5793.39 ccw(c8261.43,5823.15) 8303.52,5823.15 8303.52,5839.83 8170.75,5972.6 cw(c8202.05,6003.89) 8157.78,6003.89 8157.78,6137.28 cw(c8257.78,6137.28) 8187.07,6207.99 8474.93,6495.85 cw(c8545.64,6425.14) 8545.64,6525.14 8570.8,6525.14 ccw(c8570.8,6525.94) 8571.37,6525.37 cw(c8571.94,6524.8) 8571.94,6525.61 8576.81,6525.61 ccw(c8576.81,6540.82) 8592.02,6540.82 v1(8592.02,6545.95)
TX12-: C24.2 U1.H2 | length 1043.1
  Bottom Layer w5.2: C24.2@8328.67,5782.48 cw(c8367.17,5820.98) 8312.72,5820.98 8312.72,5840.73 ccw(c8305.71,5840.73) 8310.67,5845.69 8177.25,5979.1 cw(c8202.05,6003.89) 8166.98,6003.89 8166.98,6137.28 cw(c8257.78,6137.28) 8193.58,6201.49 8265.42,6273.33 8270.62,6273.33 8274.53,6269.41 8279.73,6269.41 8285.14,6274.82 8285.14,6280.02 8281.23,6283.93 8281.23,6289.13 8481.43,6489.34 cw(c8545.64,6425.14) 8545.64,6515.94 8571.58,6515.94 cw(c8571.58,6515.13) 8572.15,6515.7 ccw(c8572.72,6516.27) 8572.72,6515.46 8577.59,6515.46 cw(c8577.59,6502.79) 8590.26,6502.79 v1(8590.26,6496.21)
TX13+: C25.2 U1.G2 | length 1009
  Bottom Layer w5.2: C25.2@8441.82,5784.04 ccw(c8405.57,5820.29) 8456.84,5820.29 8456.84,5830.31 ccw(c8429.16,5830.31) 8448.73,5849.88 8448.06,5850.56 8400.81,5850.56 cw(c8400.81,5950.56) 8330.1,5879.85 8231.53,5978.41 cw(c8302.24,6049.13) 8202.24,6049.13 8202.24,6122.27 cw(c8302.24,6122.27) 8231.53,6192.98 8509.07,6470.52 cw(c8523.65,6455.94) 8523.65,6476.56 ccw(c8523.65,6477.7) 8524.45,6476.89 cw(c8525.26,6476.09) 8525.26,6477.23 8529.99,6477.23 ccw(c8529.99,6489.51) 8542.27,6489.51 v1(8542.27,6495.62)
TX13-: C26.2 U1.G1 | length 1009.9
  Bottom Layer w5.2: C26.2@8480.84,5784.43 cw(c8516.57,5820.16) 8466.04,5820.16 8466.04,5830.31 ccw(c8429.16,5830.31) 8455.24,5856.39 8453.92,5857.7 ccw(c8448.97,5852.75) 8448.97,5859.76 8400.81,5859.76 cw(c8400.81,5950.56) 8336.6,5886.35 8238.04,5984.92 cw(c8302.24,6049.13) 8211.44,6049.13 8211.44,6122.27 cw(c8302.24,6122.27) 8238.04,6186.48 8287.84,6236.28 8293.04,6236.28 8295.9,6233.41 8301.1,6233.41 8306.5,6238.82 8306.5,6244.02 8303.64,6246.88 8303.64,6252.08 8515.57,6464.01 cw(c8523.65,6455.94) 8523.65,6467.36 8524.43,6467.36 cw(c8524.43,6466.22) 8525.23,6467.02 ccw(c8526.04,6467.83) 8526.04,6466.69 8530.77,6466.69 cw(c8530.77,6456.36) 8541.1,6456.36 v1(8541.1,6446.46)
TX14+: C27.2 U1.J2 | length 784.2
  Bottom Layer w5.2: C27.2@8599.06,5783.26 ccw(c8569.71,5812.61) 8611.22,5812.61 8611.22,5894.09 cw(c8672.15,5894.09) 8629.07,5937.18 8662.47,5970.58 ccw(c8598.26,6034.79) 8689.06,6034.79 8689.06,6204.78 ccw(c8598.26,6204.78) 8662.47,6268.99 8639.43,6292.03 cw(c8710.14,6362.74) 8610.14,6362.74 8610.14,6456.94 cw(c8629.09,6456.94) 8610.52,6460.71 cw(c8627.92,6459.8) 8627.92,6477.23 ccw(c8627.92,6489.9) 8640.59,6489.9 v1(8640.59,6496.79)
TX14-: C28.2 U1.J1 | length 783.9
  Bottom Layer w5.2: C28.2@8636.91,5786.38 8630.55,5792.74 cw(c8655.01,5817.2) 8620.42,5817.2 8620.42,5894.09 cw(c8672.15,5894.09) 8635.57,5930.67 8668.97,5964.08 ccw(c8598.26,6034.79) 8698.26,6034.79 8698.26,6105.29 8701.94,6108.97 8705.53,6108.97 8709.2,6112.65 8709.2,6120.29 8705.53,6123.97 8701.94,6123.97 8698.26,6127.65 8698.26,6204.78 ccw(c8598.26,6204.78) 8668.97,6275.49 8645.93,6298.53 cw(c8710.14,6362.74) 8619.34,6362.74 8619.34,6456.94 cw(c8629.09,6456.94) 8629.09,6466.69 cw(c8629.09,6454.02) 8641.77,6454.02 v1(8641.77,6444.7)
TX15+: C29.2 U1.K3 | length 820.9
  Bottom Layer w5.2: v1(8689.17,6546.93) 8689.17,6542.38 cw(c8674.65,6542.38) 8674.65,6527.85 ccw(c8674.65,6511.3) 8658.1,6511.3 8658.1,6473.17 ccw(c8658.41,6473.17) 8658.19,6472.95 cw(c8657.97,6472.72) 8658.28,6472.72 8658.28,6441 ccw(c8758.28,6441) 8687.57,6370.29 8742.77,6315.09 cw(c8678.56,6250.88) 8769.36,6250.88 8769.36,5819.11 cw(c8728.46,5819.11) 8757.38,5790.19 C29.2@8753.58,5786.38
TX15-: C30.2 U1.K2 | length 821.5
  Bottom Layer w5.2: v1(8690.93,6497.38) 8690.93,6499.86 ccw(c8674.26,6499.86) 8674.26,6516.54 ccw(c8674.26,6509.94) 8667.66,6509.94 8667.66,6472.96 cw(c8667.35,6472.96) 8667.57,6472.74 ccw(c8667.79,6472.52) 8667.48,6472.52 8667.48,6441 ccw(c8758.28,6441) 8694.08,6376.79 8749.27,6321.59 cw(c8678.56,6250.88) 8778.56,6250.88 8778.56,6121.41 8782.24,6117.73 8787.86,6117.73 8791.53,6114.05 8791.53,6106.41 8787.86,6102.73 8782.24,6102.73 8778.56,6099.05 8778.56,5819.11 ccw(c8811.45,5819.11) 8788.2,5795.85 8795.72,5788.33
pads on no net: F1.A5 F1.A6 F1.A7 F1.A8 F1.A19 F1.A32 F1.A33 F1.A50 F1.B5 F1.B6 F1.B9 F1.B10 F1.B11 F1.B12 F1.B30 F1.B82 U1.A15 U1.A16 U1.B16 U1.B17 U1.C15 U1.C16 U1.D16 U1.D17 U1.G16 U1.G17 U1.H15 U1.H16 U1.J16 U1.J17 U1.K15 U1.K16 U9.MH2 U9.MH3 U9.MH6 U9.MH7

## Polygon pours and split planes (outlines as drawn)
+12V on Top Layer (solid, remove dead copper, pour order 0): 5567.58,5888.9 5636.63,5888.9 cw(c5636.63,5858.9) 5666.63,5858.9 5666.63,5594.95 cw(c5636.63,5594.95) 5636.63,5564.95 5567.58,5564.95 cw(c5567.58,5594.95) 5537.58,5594.95 5537.58,5858.9 cw(c5567.58,5858.9)
+12V on Bottom Layer (solid, remove dead copper, pour order 4): 5610.43,5789.19 5636.46,5789.19 cw(c5636.46,5759.19) 5666.46,5759.19 5666.46,5624.3 cw(c5636.46,5624.3) 5636.46,5594.3 5610.43,5594.3 cw(c5610.43,5624.3) 5580.43,5624.3 5580.43,5759.19 cw(c5610.43,5759.19)
+5V on Bottom Layer (solid, remove dead copper, pour order 6): 5438.91,7530.77 5779.9,7530.77 cw(c5779.9,7500.77) 5809.9,7500.77 5809.9,7467.93 cw(c5779.9,7467.93) 5779.9,7437.93 5438.91,7437.93 cw(c5438.91,7467.93) 5408.91,7467.93 5408.91,7500.77 cw(c5438.91,7500.77)
+1V8 on Bottom Layer (solid, remove dead copper, pour order 8): 5403.13,8671.83 5610.86,8671.83 cw(c5610.86,8641.83) 5640.86,8641.83 5640.86,8563.37 cw(c5610.86,8563.37) 5610.86,8533.37 5403.13,8533.37 cw(c5403.13,8563.37) 5373.13,8563.37 5373.13,8641.83 cw(c5403.13,8641.83)
+12V on Inner3 (solid, remove dead copper): 6273.53,8553.54 6642.31,8553.54 6642.31,8302.89 6273.53,8302.89
GND on Top Layer (solid, remove dead copper, pour order 2): 4366.2,9901.63 9426.2,9901.63 9426.2,5251.63 4366.2,5251.63
GND on Bottom Layer (solid, remove dead copper, pour order 10): 3000,10544.71 11190,10544.71 11190,4784.71 3000,4784.71
GND on Inner3 (solid, remove dead copper): 4340.94,9965.64 10280.94,9965.64 10280.94,4640.64 4340.94,4640.64
GND on 内层4 (solid, remove dead copper): 4584.66,9995.85 9511.33,9995.85 9511.33,4942.52 4584.66,4942.52
GND on Inner1 (solid, remove dead copper): 4351.33,9915.85 9711.33,9915.85 9711.33,4935.85 4351.33,4935.85
+12V on Inner3 (solid, remove dead copper): 6616.7,8299.49 cw(c6616.7,8710.89) 6325.8,8419.99 cw(c6459.33,8553.51) 6270.5,8553.51 6270.5,8756.05 cw(c6398.63,8756.05) 6308.03,8846.65 6374.19,8912.82 cw(c6471.98,8815.03) 6471.98,8953.32 8440.83,8953.32 cw(c8440.83,8541.93) 8731.73,8832.83 cw(c8464.68,8565.77) 8842.35,8565.77 8842.35,7602.77 cw(c8707.47,7602.77) 8802.84,7507.4 cw(c8678.85,7631.38) 8678.85,7456.04 8275.32,7456.04 cw(c8275.32,7617.9) 8160.87,7503.44 cw(c8284.86,7627.43) 8109.51,7627.43 8109.51,8042.4 ccw(c7846.49,8042.4) 8032.47,8228.38 ccw(c7860.79,8056.71) 7860.79,8299.49
+5V on Inner3 (solid, remove dead copper): 5807.61,7350.15 5535.08,7350.3 cw(c5535.1,7380.3) 5505.1,7380.3 5505.1,7500.2 cw(c5535.1,7500.2) 5535.1,7530.2 5777.61,7530.2 cw(c5777.61,7500.2) 5807.61,7500.2 5807.61,7475.23 ccw(c5837.61,7475.23) 5837.61,7445.23 8680.86,7445.23 cw(c8680.86,7415.23) 8710.86,7415.23 8710.86,7380.15 cw(c8680.86,7380.15) 8680.86,7350.15
+12V on Inner3 (solid, remove dead copper): 5762.18,7812.94 cw(c5762.18,7782.94) 5792.18,7782.94 5792.18,7669.11 cw(c5762.18,7669.11) 5762.18,7639.11 5444.93,7639.11 ccw(c5444.93,7609.11) 5414.93,7609.11 5414.93,6212.18 ccw(c5444.93,6212.18) 5422.89,6191.82 5692.19,5900.21 cw(c5670.15,5879.85) 5700.15,5879.85 5700.15,5645.01 cw(c5670.15,5645.01) 5670.15,5615.01 5580.34,5615.01 cw(c5580.34,5645.01) 5550.34,5645.01 5550.34,5878.49 ccw(c5520.34,5878.49) 5541.61,5899.65 5244.45,6198.42 5244.19,6198.42 5243.91,7669.19 ccw(c5213.91,7669.19) 5243.89,7670.28 5238.66,7813.07 5239.06,7813.24
+12V on Inner3 (solid, remove dead copper): 5666.09,7641.5 5768.17,7641.5 ccw(c5768.17,7878.29) 5935.61,7710.86 6486.65,8261.9 cw(c6597.56,8151) 6597.56,8307.84 6696.34,8406.62 ccw(c6616.91,8486.06) 6729.24,8486.06 6695.31,8519.99 ccw(c6558.93,8383.61) 6558.93,8576.48 6470.5,8576.48 ccw(c6470.5,8306.72) 6279.75,8497.47 6279.75,8470.25 cw(c6101.71,8470.25) 6227.6,8344.36 5735.88,7852.64 cw(c5630.97,7957.55) 5630.97,7809.18 ccw(c5667,7773.15) 5616.05,7773.15 5616.05,7651.16 5642.77,7651.16 cw(c5642.77,7618.19)

## Keep-outs
Top Layer:
  region: 6161.86,5655.3 8821.72,5655.3 8821.72,5351.1 6161.86,5351.1
  region: 8818.61,5631.3 8815.09,6301.15 8723.79,6413.52 8736.08,8425.7 8155.34,8431.63 8159.29,7254.34 7161.76,7254.34 6106.95,6195.58 6114.85,5620.76
Bottom Layer:
  region: 6160.98,5654.42 8820.85,5654.42 8820.85,5350.22 6160.98,5350.22
  region: 8863.38,5634.81 8859.87,6304.66 8729.38,6465.26 8741.38,8429.62 8200.11,8435.14 8204.06,7257.86 7206.53,7257.86 6151.72,6199.09 6159.62,5624.28
Board Outline Layer:
  region: 5533.78,5592.29 8850.98,5592.29 8850.98,5377.64 5533.78,5377.64
  lines w10: 8858.73,5684.13 8858.83,5684.13 8858.83,5814.47 ; 8858.73,5814.47 8858.83,5814.47 ; 8988.9,5814.47 8858.83,5814.47 ; 8988.9,9301.61 5209.7,9301.61 5209.7,5814.47 5538.09,5814.47 ; 8990.35,5813.76 8990.35,9300.9 ; 5538.09,5814.47 5540.4,5814.47 5540.4,5813.36 5538.09,5813.36 5538.09,5814.47

## Text inside footprints (layer, text, board x,y; h text height)
U9: Mechanical Layer "27.3" at 3708.04,9163.21 h179.92 r180; Mechanical Layer "26.8" at 3708.04,8833.49 h179.92 r180; Mechanical Layer "41.7" at 3708.04,5834.92 h179.92 r180; Mechanical Layer "41.2" at 3708.04,6156.33 h179.92 r180; Mechanical Layer "129.25" at 4281.14,9811.14 h184.79 r180; Mechanical Layer "129.25" at 4540.2,5340.27 h184.79 r180; Mechanical Layer "126.75" at 5394.26,9520.14 h184.79 r180; Mechanical Layer "96.6" at 5792.52,9808.47 h179.92 r180; Mechanical Layer "96.6" at 5825.64,5337.6 h179.92 r180; Mechanical Layer "30.9" at 8379.13,9808.47 h179.92 r180; Mechanical Layer "30.9" at 8412.25,5337.6 h179.92 r180; Mech6 "68.898" at 8943.97,5773.69 h59.69 r180; Mech6 "1.75" at 8993.47,5673.44 h59.23 r180; Mech6 "246.063" at 8930.47,5552.76 h59.82 r180; Mech6 "6.25" at 9005.47,5452.44 h59.23 r180; Mech6 "1597.244" at 9013.97,4802.81 h59.91 r180; Mech6 "3422.441" at 9013.97,4481.81 h59.91 r180; Mech6 "3803.150" at 9031.97,4201.81 h59.91 r180; Mech6 "86.93" at 9088.97,4381.59 h59.51 r180; Mech6 "4990.158" at 9040.97,3677.81 h59.91 r180; Mech6 "40.57" at 9088.97,4702.59 h59.51 r180; Mech6 "4178.346" at 9040.97,3930.81 h59.91 r180; Mech6 "106.13" at 9090.47,3830.69 h59.69 r180; Mech6 "5088.583" at 9040.97,3424.81 h59.91 r180; Mech6 "129.25" at 9090.47,3324.69 h59.69 r180; Mech6 "126.75" at 9090.47,3577.69 h59.69 r180; Mech6 "1216.535" at 9062.97,5042.81 h59.91 r180; Mech6 "96.6" at 9132.47,4101.44 h59.23 r180; Mech6 "5265.748" at 9054.97,3159.81 h59.91 r180; Mech6 "133.75" at 9104.47,3059.69 h59.69 r180; Mech6 "30.9" at 9163.47,4942.44 h59.23 r180; Mech6 "835.827" at 9115.47,5286.76 h59.82 r180; Mech6 "21.23" at 9164.97,5186.59 h59.51 r180; Mechanical Layer "0" at 9442.45,9815.9 h193.51 r180; Mechanical Layer "1.75" at 9664.56,9808.47 h179.92 r180; Mechanical Layer "1.75" at 9697.68,5337.6 h179.92 r180; Mech6 "22.2" at 10126.64,8263 h59.23 r90; Mech6 "36.6" at 10126.64,7063 h59.23 r90; Mech6 "874.016" at 10226.96,8338 h59.82 r90; Mech6 "1440.945" at 10227.01,7163.5 h59.91 r90; Mech6 "41.2" at 10361.64,7108 h59.23 r90; Mech6 "26.8" at 10370.64,8236 h59.23 r90; Mech6 "1622.047" at 10462.01,7208.5 h59.91 r90; Mech6 "1055.118" at 10471.01,8336.5 h59.91 r90; Mech6 "31.8" at 10597.64,8243 h59.23 r90; Mech6 "46.2" at 10603.64,7097 h59.23 r90; Mech6 "1251.969" at 10698.01,8343.5 h59.91 r90; Mech6 "1818.898" at 10704.01,7197.5 h59.91 r90; Mechanical Layer "41.2" at 10652.97,6156.33 h179.92 r180; Mechanical Layer "41.7" at 10652.97,5819.89 h179.92 r180; Mechanical Layer "26.8" at 10652.97,8833.49 h179.92 r180; Mechanical Layer "27.3" at 10652.97,9162.48 h179.92 r180